# Altium PCB PCB1.PcbDoc (part 1 of 3)
Units mil, origin at the board's own origin, x right, y up, seen from the top; angles counter-clockwise.
Board outline 15710 x 6180 mil, 2 copper layers (Top Layer, Bottom Layer); 319 components, 269 nets, 1689 pads, 570 vias.
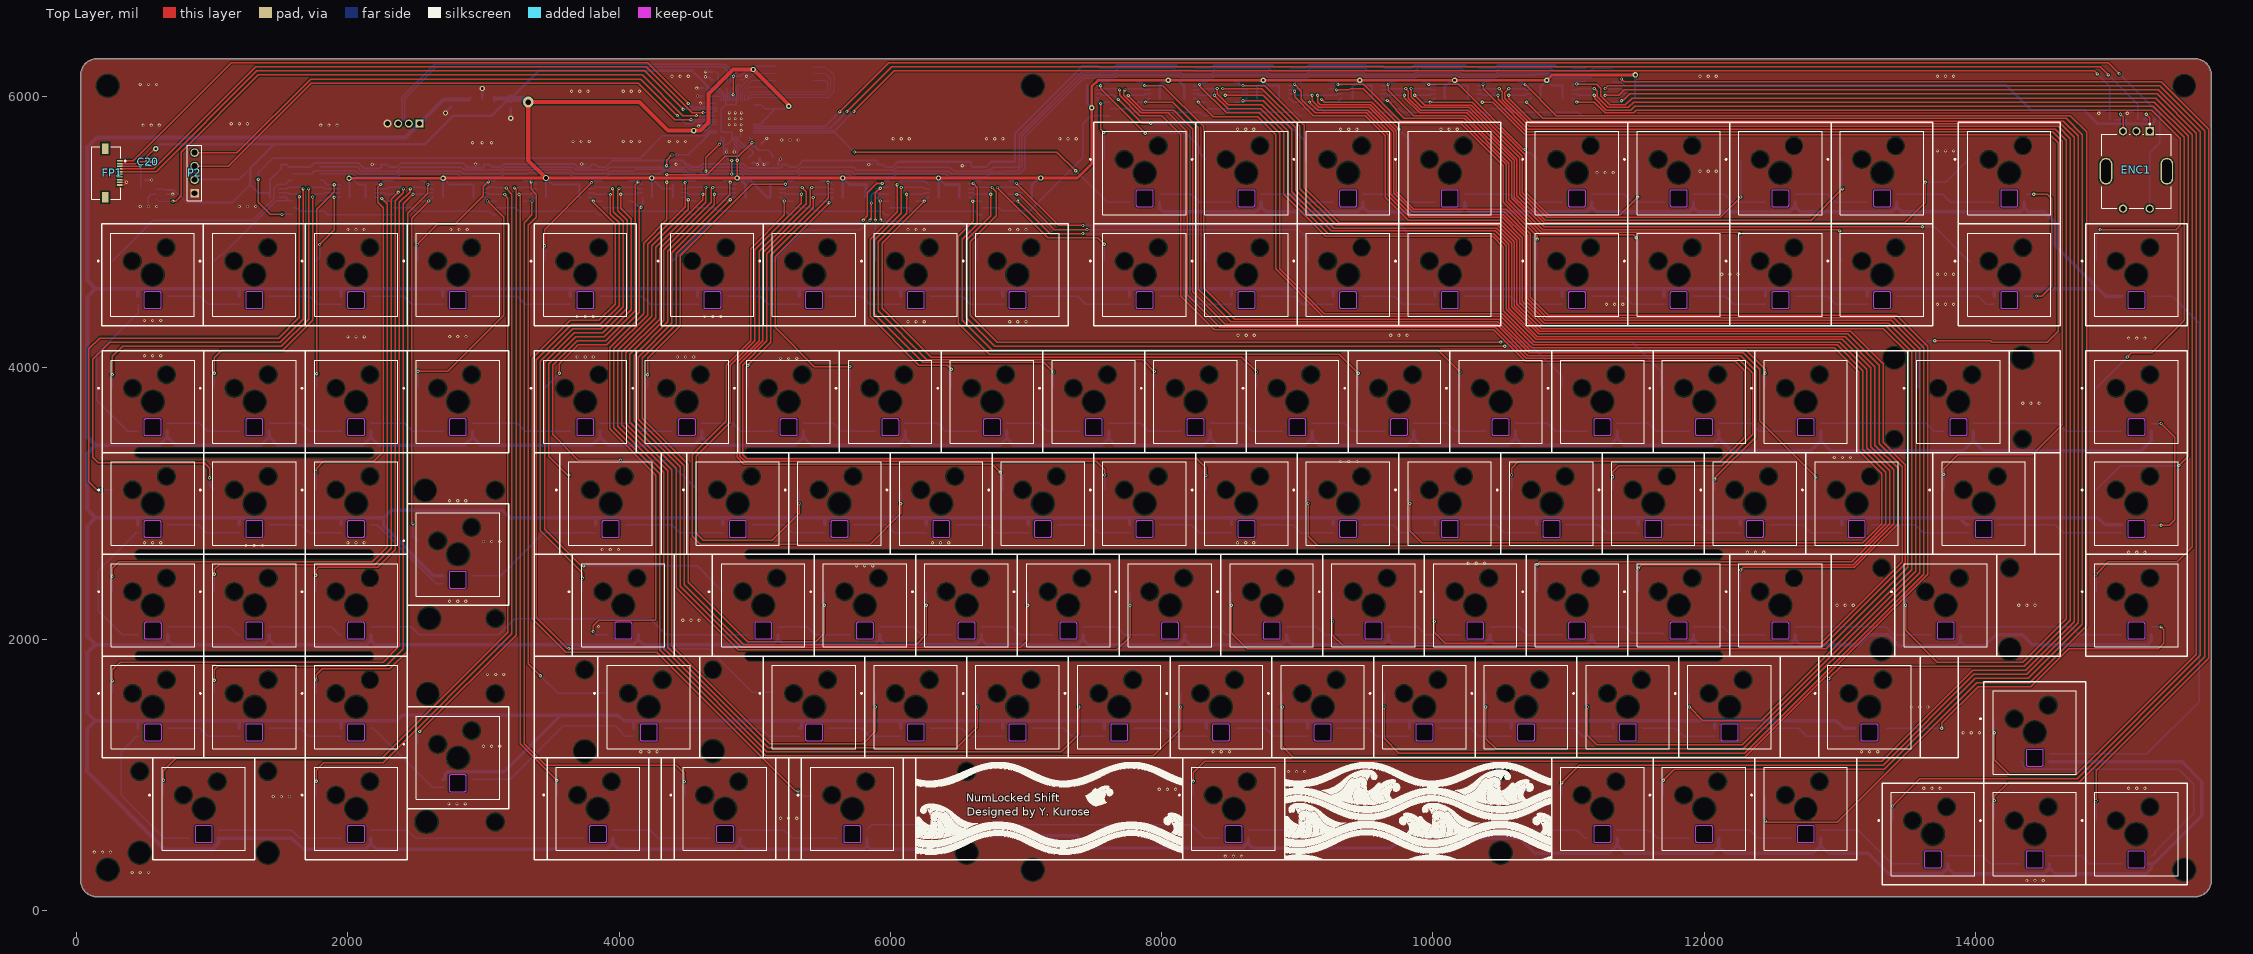
[diagram p0: Top Layer view]
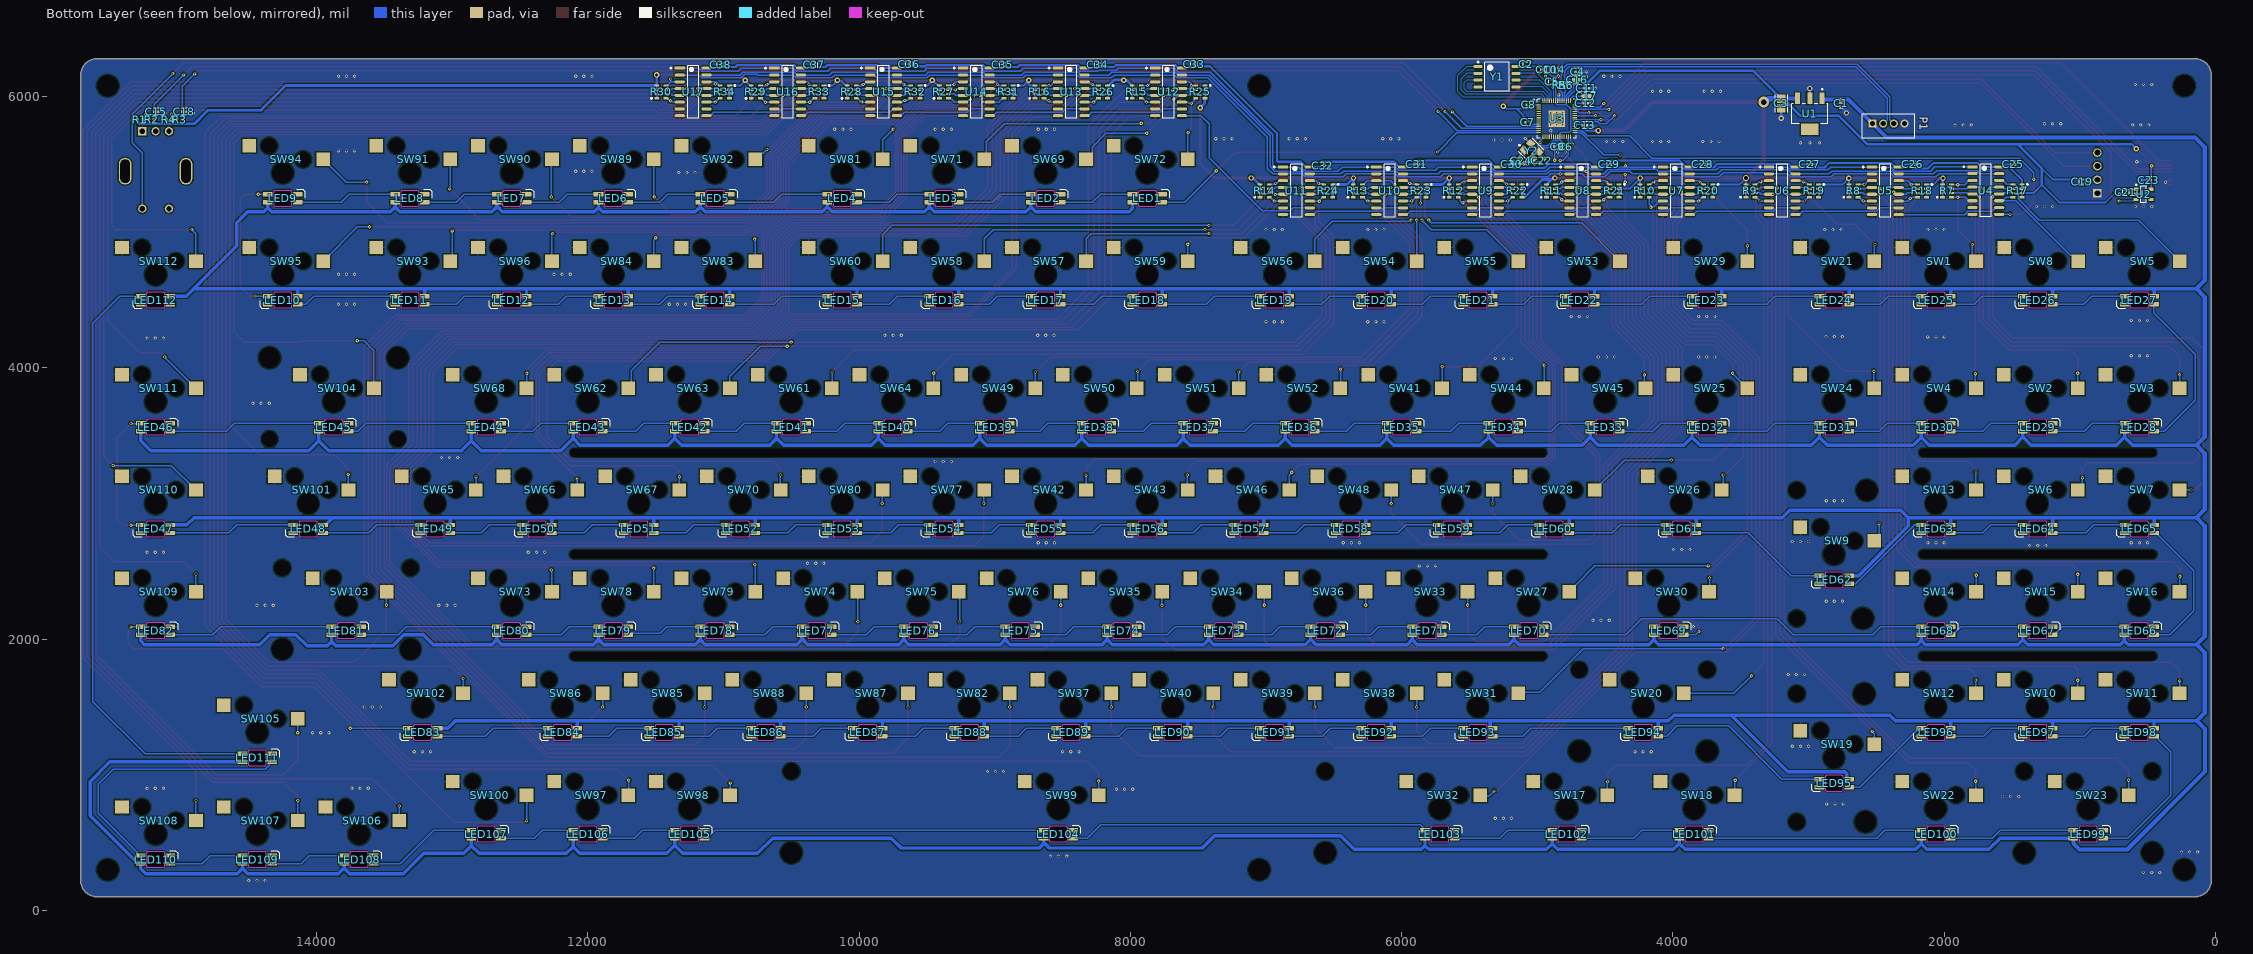
[diagram p1: Bottom Layer view, seen from below]
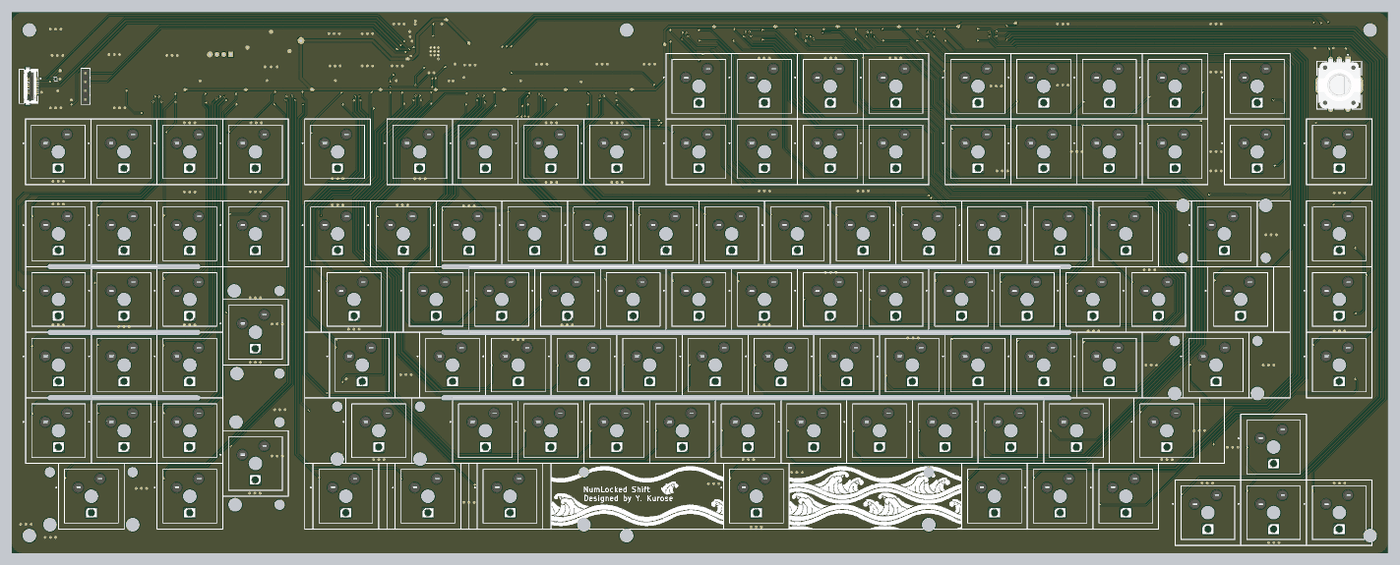
[diagram p4: 3D render of the assembled board from above, using the file's embedded part models]
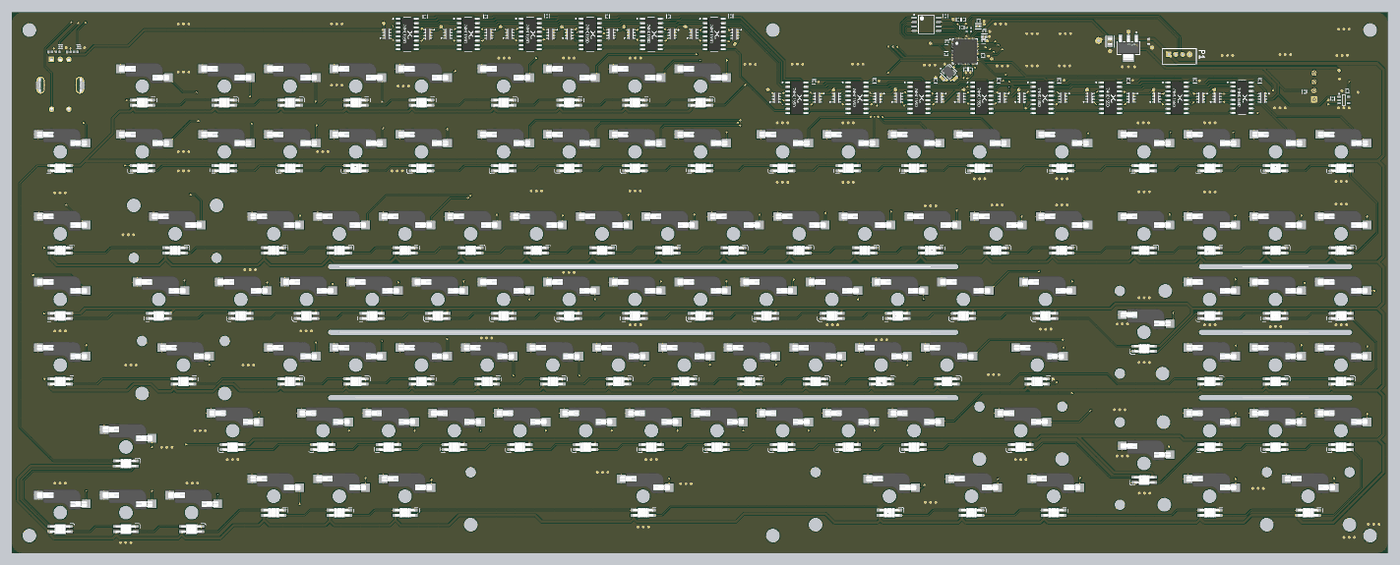
[diagram p5: 3D render of the assembled board from below, using the file's embedded part models]

## Layer stack, top to bottom
Top Solder: solder mask 0.4, Solder Resist, Dk 3.5
Top Layer: signal copper 1.4
Dielectric 1: dielectric 12.6, FR-4, Dk 4.8
Bottom Layer: signal copper 1.4
Bottom Solder: solder mask 0.4, Solder Resist, Dk 3.5

## Board outline
30,220 30,6160 cw(c150,6160) 150,6280 15620,6280 cw(c15620,6160) 15740,6160 15740,3740 15740,300 15740,220 cw(c15620,220) 15620,100 150,100 cw(c150,220)

## Design rules (kind name [scope] priority, off if disabled: settings)
Clearance [All] p1: gap=10 ignorepadtopadclearanceinfootprint=FALSE except(0: SMDPad-Hole THPad-Hole Via-Hole Fill-Hole Poly-Hole Region-Hole Text-Hole; 5: Arc-Arc Arc-Track Arc-SMDPad Arc-Via Arc-Hole Track-Track Track-SMDPad Track-Via Track-Hole SMDPad-SMDPad SMDPad-Via THPad-Via)
DiffPairsRouting [All] p1: maxlimit=10 minlimit=5 mostfreqgap=10 toplayer_minwidth=10 toplayer_maxwidth=15 toplayer_prefwidth=10 bottomlayer_mingap=10 bottomlayer_minwidth=10 bottomlayer_maxwidth=15 bottomlayer_prefwidth=10 maxuncoupledlength=500
HoleSize [All] p1: absolutevalues=TRUE maxlimit=248.03 minlimit=5.91 maxpercent=80.000 minpercent=20.000
HoleToHoleClearance [All] p1: gap=19.68 allowstackedmicrovias=TRUE
MinimumSolderMaskSliver [All] p1: minsoldermaskwidth=3.94
PolygonConnect PolygonConnect_1 [InComponent('U3')] p1: connectstyle=Direct reliefconductorwidth=10 reliefentries=4 polygonreliefangle="90 Angle" airgapwidth=10
PolygonConnect [All] p2: connectstyle=Relief reliefconductorwidth=10 reliefentries=4 polygonreliefangle="90 Angle" airgapwidth=10
RoutingVias [All] p1: holewidth=28 width=50 viastyle="Through Hole" minholewidth=11.81 minwidth=19.68 maxholewidth=248.03 maxwidth=50
SilkToSolderMaskClearance [IsPad] p1: minsilkscreentomaskgap=5 clearancetoexposedcopper=TRUE
SolderMaskExpansion [All] p1: expansion=4 istentingtop=FALSE
Width [All] p1: maxlimit=200 minlimit=5 preferedwidth=10
25 further rules are at their usual default settings.

## Classes and differential pairs
differential pair MCU_USB_D: +MCU_USB_D_P -MCU_USB_D_N
differential pair MCU_USB_D_R: +MCU_USB_D_R_P -MCU_USB_D_R_N

## Components (designator, comment, footprint, x,y, rotation, side; value= is the part's Value field where it differs from the comment)
C1 "Capacitor 470nF +/-20% 25V 0603" CAPC0603(1608)100_L 2760,5950 r270 bottom value=470nF
C2 "0.1 uF" FP-GRM15-MFG 5080,6240 r90 bottom value=0.10μF
C3 "33uF" FP-C2012-125-0_2-IPC_A 3200.67,5950 r270 bottom
C4 "0.1 uF" FP-GRM15-MFG 4700.94,6182.94 r180 bottom value=0.10μF
C5 "0.1 uF" FP-GRM15-MFG 4890,6110 r90 bottom value=0.10μF
C6 "0.1 uF" FP-GRM15-MFG 4791.73,5630.94 r270 bottom value=0.10μF
C7 "0.1 uF" FP-GRM15-MFG 5070,5810 r0 bottom value=0.10μF
C8 "0.1 uF" FP-GRM15-MFG 5062.76,5939.03 r0 bottom value=0.10μF
C9 "0.1 uF" FP-GRM15-MFG 4850.01,5630.94 r270 bottom value=0.10μF
C10 "0.1 uF" FP-GRM15-MFG 4930,6200 r90 bottom value=0.10μF
C11 "0.1 uF" FP-GRM15-MFG 4636.69,6062.94 r180 bottom value=0.10μF
C12 "0.1 uF" FP-GRM15-MFG 4643.36,5952.38 r180 bottom value=0.10μF
C13 "0.1 uF" FP-GRM15-MFG 4650,5790 r180 bottom value=0.10μF
C14 "0.1 uF" FP-GRM15-MFG 4870,6200 r90 bottom value=0.10μF
C15 "10 nF" FP-GRM033-0_03-IPC_A 15183.05,5890.02 r0 bottom
C16 "10uF" FP-GRM155-0_2-IPC_A 4706.69,6122.94 r180 bottom
C17 "10uF" FP-GRM155-0_2-IPC_A 4636.69,6002.94 r180 bottom
C18 "10 nF" FP-GRM033-0_03-IPC_A 14975.75,5889.98 r180 bottom
C19 "0.1 uF" FP-GRM15-MFG 980,5374.25 r270 bottom value=0.10μF
C20 "0.1 uF" FP-GRM15-MFG 530,5520 r0 top value=0.10μF
C21 "0.1 uF" FP-GRM15-MFG 660,5295.75 r270 bottom value=0.10μF
C22 "18pF" CAPC1608X90X35LL10T15 4966.69,5526.69 r135 bottom
C23 "0.1 uF" FP-GRM15-MFG 489.78,5385.23 r0 bottom value=0.10μF
C24 "18pF" CAPC1608X90X35LL10T15 5116.69,5526.69 r45 bottom
C25 "0.1 uF" FP-GRM15-MFG 1490,5500 r180 bottom value=0.10μF
C26 "0.1 uF" FP-GRM15-MFG 2230,5500 r180 bottom value=0.10μF
C27 "0.1 uF" FP-GRM15-MFG 2990,5500 r180 bottom value=0.10μF
C28 "0.1 uF" FP-GRM15-MFG 3780,5500 r180 bottom value=0.10μF
C29 "0.1 uF" FP-GRM15-MFG 4470,5500 r180 bottom value=0.10μF
C30 "0.1 uF" FP-GRM15-MFG 5190,5500 r180 bottom value=0.10μF
C31 "0.1 uF" FP-GRM15-MFG 5890,5500 r180 bottom value=0.10μF
C32 "0.1 uF" FP-GRM15-MFG 6580,5490 r180 bottom value=0.10μF
C33 "0.1 uF" FP-GRM15-MFG 7530,6240 r90 bottom value=0.10μF
C34 "0.1 uF" FP-GRM15-MFG 8240,6235.75 r90 bottom value=0.10μF
C35 "0.1 uF" FP-GRM15-MFG 8940,6235.75 r90 bottom value=0.10μF
C36 "0.1 uF" FP-GRM15-MFG 9630,6240 r90 bottom value=0.10μF
C37 "0.1 uF" FP-GRM15-MFG 10330,6234.25 r90 bottom value=0.10μF
C38 "0.1 uF" FP-GRM15-MFG 11020,6234.25 r90 bottom value=0.10μF
ENC1 "PEC11R-4015F-S0024" FP-PEC11R-4015F-S0024-MFG 15187.5,5450 r180 top
FP1 "505110-1092" FP-505110-1092-MFG 220,5437.5 r270 top
LED1 "SK6812MINI-E" 1655-Footprint-1 7875,5250 r0 bottom
LED2 "SK6812MINI-E" 1655-Footprint-1 8625,5250 r0 bottom
LED3 "SK6812MINI-E" 1655-Footprint-1 9375,5250 r0 bottom
LED4 "SK6812MINI-E" 1655-Footprint-1 10125,5250 r0 bottom
LED5 "SK6812MINI-E" 1655-Footprint-1 11062.5,5250 r0 bottom
LED6 "SK6812MINI-E" 1655-Footprint-1 11812.5,5250 r0 bottom
LED7 "SK6812MINI-E" 1655-Footprint-1 12562.5,5250 r0 bottom
LED8 "SK6812MINI-E" 1655-Footprint-1 13312.5,5250 r0 bottom
LED9 "SK6812MINI-E" 1655-Footprint-1 14250,5250 r0 bottom
LED10 "SK6812MINI-E" 1655-Footprint-1 14250,4500 r180 bottom
LED11 "SK6812MINI-E" 1655-Footprint-1 13312.5,4500 r180 bottom
LED12 "SK6812MINI-E" 1655-Footprint-1 12562.5,4500 r180 bottom
LED13 "SK6812MINI-E" 1655-Footprint-1 11812.5,4500 r180 bottom
LED14 "SK6812MINI-E" 1655-Footprint-1 11062.5,4500 r180 bottom
LED15 "SK6812MINI-E" 1655-Footprint-1 10125,4500 r180 bottom
LED16 "SK6812MINI-E" 1655-Footprint-1 9375,4500 r180 bottom
LED17 "SK6812MINI-E" 1655-Footprint-1 8625,4500 r180 bottom
LED18 "SK6812MINI-E" 1655-Footprint-1 7875,4500 r180 bottom
LED19 "SK6812MINI-E" 1655-Footprint-1 6937.5,4500 r180 bottom
LED20 "SK6812MINI-E" 1655-Footprint-1 6187.5,4500 r180 bottom
LED21 "SK6812MINI-E" 1655-Footprint-1 5437.5,4500 r180 bottom
LED22 "SK6812MINI-E" 1655-Footprint-1 4687.5,4500 r180 bottom
LED23 "SK6812MINI-E" 1655-Footprint-1 3750,4500 r180 bottom
LED24 "SK6812MINI-E" 1655-Footprint-1 2810,4500 r180 bottom
LED25 "SK6812MINI-E" 1655-Footprint-1 2060,4500 r180 bottom
LED26 "SK6812MINI-E" 1655-Footprint-1 1310,4500 r180 bottom
LED27 "SK6812MINI-E" 1655-Footprint-1 560,4500 r180 bottom
LED28 "SK6812MINI-E" 1655-Footprint-1 560,3562.5 r0 bottom
LED29 "SK6812MINI-E" 1655-Footprint-1 1310,3562.5 r0 bottom
LED30 "SK6812MINI-E" 1655-Footprint-1 2060,3562.5 r0 bottom
LED31 "SK6812MINI-E" 1655-Footprint-1 2810,3562.5 r0 bottom
LED32 "SK6812MINI-E" 1655-Footprint-1 3750,3562.5 r0 bottom
LED33 "SK6812MINI-E" 1655-Footprint-1 4500,3562.5 r0 bottom
LED34 "SK6812MINI-E" 1655-Footprint-1 5250,3562.5 r0 bottom
LED35 "SK6812MINI-E" 1655-Footprint-1 6000,3562.5 r0 bottom
LED36 "SK6812MINI-E" 1655-Footprint-1 6750,3562.5 r0 bottom
LED37 "SK6812MINI-E" 1655-Footprint-1 7500,3562.5 r0 bottom
LED38 "SK6812MINI-E" 1655-Footprint-1 8250,3562.5 r0 bottom
LED39 "SK6812MINI-E" 1655-Footprint-1 9000,3562.5 r0 bottom
LED40 "SK6812MINI-E" 1655-Footprint-1 9750,3562.5 r0 bottom
LED41 "SK6812MINI-E" 1655-Footprint-1 10500,3562.5 r0 bottom
LED42 "SK6812MINI-E" 1655-Footprint-1 11250,3562.5 r0 bottom
LED43 "SK6812MINI-E" 1655-Footprint-1 12000,3562.5 r0 bottom
LED44 "SK6812MINI-E" 1655-Footprint-1 12750,3562.5 r0 bottom
LED45 "SK6812MINI-E" 1655-Footprint-1 13875,3562.5 r0 bottom
LED46 "SK6812MINI-E" 1655-Footprint-1 15187.5,3562.5 r0 bottom
LED47 "SK6812MINI-E" 1655-Footprint-1 15187.5,2812.5 r180 bottom
LED48 "SK6812MINI-E" 1655-Footprint-1 14062.5,2812.5 r180 bottom
LED49 "SK6812MINI-E" 1655-Footprint-1 13125,2812.5 r180 bottom
LED50 "SK6812MINI-E" 1655-Footprint-1 12375,2812.5 r180 bottom
LED51 "SK6812MINI-E" 1655-Footprint-1 11625,2812.5 r180 bottom
LED52 "SK6812MINI-E" 1655-Footprint-1 10875,2812.5 r180 bottom
LED53 "SK6812MINI-E" 1655-Footprint-1 10125,2812.5 r180 bottom
LED54 "SK6812MINI-E" 1655-Footprint-1 9375,2812.5 r180 bottom
LED55 "SK6812MINI-E" 1655-Footprint-1 8625,2812.5 r180 bottom
LED56 "SK6812MINI-E" 1655-Footprint-1 7875,2812.5 r180 bottom
LED57 "SK6812MINI-E" 1655-Footprint-1 7125,2812.5 r180 bottom
LED58 "SK6812MINI-E" 1655-Footprint-1 6375,2812.5 r180 bottom
LED59 "SK6812MINI-E" 1655-Footprint-1 5625,2812.5 r180 bottom
LED60 "SK6812MINI-E" 1655-Footprint-1 4875,2812.5 r180 bottom
LED61 "SK6812MINI-E" 1655-Footprint-1 3937.5,2812.5 r180 bottom
LED62 "SK6812MINI-E" 1655-Footprint-1 2810,2437.5 r180 bottom
LED63 "SK6812MINI-E" 1655-Footprint-1 2060,2812.5 r180 bottom
LED64 "SK6812MINI-E" 1655-Footprint-1 1310,2812.5 r180 bottom
LED65 "SK6812MINI-E" 1655-Footprint-1 560,2812.5 r180 bottom
LED66 "SK6812MINI-E" 1655-Footprint-1 562.5,2062.5 r0 bottom
LED67 "SK6812MINI-E" 1655-Footprint-1 1310,2062.7 r0 bottom
LED68 "SK6812MINI-E" 1655-Footprint-1 2060,2062.5 r0 bottom
LED69 "SK6812MINI-E" 1655-Footprint-1 4031.25,2062.5 r0 bottom
LED70 "SK6812MINI-E" 1655-Footprint-1 5062.5,2062.5 r0 bottom
LED71 "SK6812MINI-E" 1655-Footprint-1 5812.5,2062.5 r0 bottom
LED72 "SK6812MINI-E" 1655-Footprint-1 6562.5,2062.5 r0 bottom
LED73 "SK6812MINI-E" 1655-Footprint-1 7312.5,2062.5 r0 bottom
LED74 "SK6812MINI-E" 1655-Footprint-1 8062.5,2062.5 r0 bottom
LED75 "SK6812MINI-E" 1655-Footprint-1 8812.5,2062.5 r0 bottom
LED76 "SK6812MINI-E" 1655-Footprint-1 9562.5,2062.5 r0 bottom
LED77 "SK6812MINI-E" 1655-Footprint-1 10312.5,2062.5 r0 bottom
LED78 "SK6812MINI-E" 1655-Footprint-1 11062.5,2062.5 r0 bottom
LED79 "SK6812MINI-E" 1655-Footprint-1 11812.5,2062.5 r0 bottom
LED80 "SK6812MINI-E" 1655-Footprint-1 12562.5,2062.5 r0 bottom
LED81 "SK6812MINI-E" 1655-Footprint-1 13781.25,2062.5 r0 bottom
LED82 "SK6812MINI-E" 1655-Footprint-1 15187.5,2062.5 r0 bottom
LED83 "SK6812MINI-E" 1655-Footprint-1 13218.75,1312.5 r180 bottom
LED84 "SK6812MINI-E" 1655-Footprint-1 12187.5,1312.5 r180 bottom
LED85 "SK6812MINI-E" 1655-Footprint-1 11437.5,1312.5 r180 bottom
LED86 "SK6812MINI-E" 1655-Footprint-1 10687.5,1312.5 r180 bottom
LED87 "SK6812MINI-E" 1655-Footprint-1 9937.5,1312.5 r180 bottom
LED88 "SK6812MINI-E" 1655-Footprint-1 9187.5,1312.5 r180 bottom
LED89 "SK6812MINI-E" 1655-Footprint-1 8437.5,1312.5 r180 bottom
LED90 "SK6812MINI-E" 1655-Footprint-1 7687.5,1312.5 r180 bottom
LED91 "SK6812MINI-E" 1655-Footprint-1 6937.5,1312.5 r180 bottom
LED92 "SK6812MINI-E" 1655-Footprint-1 6187.5,1312.5 r180 bottom
LED93 "SK6812MINI-E" 1655-Footprint-1 5437.5,1312.5 r180 bottom
LED94 "SK6812MINI-E" 1655-Footprint-1 4218.75,1312.5 r180 bottom
LED95 "SK6812MINI-E" 1655-Footprint-1 2810,937.5 r180 bottom
LED96 "SK6812MINI-E" 1655-Footprint-1 2060,1312.5 r180 bottom
LED97 "SK6812MINI-E" 1655-Footprint-1 1310,1312.5 r180 bottom
LED98 "SK6812MINI-E" 1655-Footprint-1 562.5,1312.5 r180 bottom
LED99 "SK6812MINI-E" 1655-Footprint-1 937.5,562.5 r0 bottom
LED100 "SK6812MINI-E" 1655-Footprint-1 2060,562.5 r0 bottom
LED101 "SK6812MINI-E" 1655-Footprint-1 3843.75,562.5 r0 bottom
LED102 "SK6812MINI-E" 1655-Footprint-1 4781.25,562.5 r0 bottom
LED103 "SK6812MINI-E" 1655-Footprint-1 5718.75,562.5 r0 bottom
LED104 "SK6812MINI-E" 1655-Footprint-1 8531.25,562.5 r0 bottom
LED105 "SK6812MINI-E" 1655-Footprint-1 11250,562.5 r0 bottom
LED106 "SK6812MINI-E" 1655-Footprint-1 12000,562.5 r0 bottom
LED107 "SK6812MINI-E" 1655-Footprint-1 12750,562.5 r0 bottom
LED108 "SK6812MINI-E" 1655-Footprint-1 13687.5,375 r0 bottom
LED109 "SK6812MINI-E" 1655-Footprint-1 14437.5,375 r0 bottom
LED110 "SK6812MINI-E" 1655-Footprint-1 15187.5,375 r0 bottom
LED111 "SK6812MINI-E" 1655-Footprint-1 14437.5,1125 r0 bottom
LED112 "SK6812MINI-E" 1655-Footprint-1 15187.5,4500 r180 bottom
P1 "B4B-PH-K-S(LF)(SN)" JST-B4B-PH-K-S_V 2410,5780 r180 bottom
P2 "61300411121" 61300411121 870,5437.5 r90 top
R1 "10k" RESC1005X40X25ML05T05 15302.84,5830.78 r0 bottom
R2 "10k" RESC1005X40X25ML05T05 15216.43,5830.78 r0 bottom
R3 "10k" RESC1005X40X25ML05T05 15010,5830 r0 bottom
R4 "10k" RESC1005X40X25ML05T05 15090,5830 r180 bottom
R5 "RC0402FR-0727RL" RESC1005X40X25NL05T10 4835.86,6084.63 r270 bottom value=27
R6 "RC0402FR-0727RL" RESC1005X40X25NL05T10 4785.15,6084.43 r270 bottom value=27
R7 "CAY16-103J4LF" BOUR-CAY16-J4_V 1978.27,5305.41 r180 bottom
R8 "CAY16-103J4LF" BOUR-CAY16-J4_V 2667.72,5305.41 r180 bottom
R9 "CAY16-103J4LF" BOUR-CAY16-J4_V 3428.01,5305.41 r180 bottom
R10 "CAY16-103J4LF" BOUR-CAY16-J4_V 4208.3,5305.41 r180 bottom
R11 "CAY16-103J4LF" BOUR-CAY16-J4_V 4898.59,5305.41 r180 bottom
R12 "CAY16-103J4LF" BOUR-CAY16-J4_V 5615.73,5305.41 r180 bottom
R13 "CAY16-103J4LF" BOUR-CAY16-J4_V 6322.88,5305.41 r180 bottom
R14 "CAY16-103J4LF" BOUR-CAY16-J4_V 7010.02,5305.41 r180 bottom
R15 "CAY16-103J4LF" BOUR-CAY16-J4_V 7952.88,6034.55 r180 bottom
R16 "CAY16-103J4LF" BOUR-CAY16-J4_V 8670.02,6034.55 r180 bottom
R17 "CAY16-103J4LF" BOUR-CAY16-J4_V 1458.86,5305.41 r0 bottom
R18 "CAY16-103J4LF" BOUR-CAY16-J4_V 2163.2,5305.41 r0 bottom
R19 "CAY16-103J4LF" BOUR-CAY16-J4_V 2959.44,5305.41 r0 bottom
R20 "CAY16-103J4LF" BOUR-CAY16-J4_V 3739.73,5305.41 r0 bottom
R21 "CAY16-103J4LF" BOUR-CAY16-J4_V 4430.02,5305.41 r0 bottom
R22 "CAY16-103J4LF" BOUR-CAY16-J4_V 5147.16,5305.41 r0 bottom
R23 "CAY16-103J4LF" BOUR-CAY16-J4_V 5854.31,5305.41 r0 bottom
R24 "CAY16-103J4LF" BOUR-CAY16-J4_V 6541.45,5305.41 r0 bottom
R25 "CAY16-103J4LF" BOUR-CAY16-J4_V 7484.31,6034.55 r0 bottom
R26 "CAY16-103J4LF" BOUR-CAY16-J4_V 8201.45,6034.55 r0 bottom
R27 "CAY16-103J4LF" BOUR-CAY16-J4_V 9374.95,6034.55 r180 bottom
R28 "CAY16-103J4LF" BOUR-CAY16-J4_V 10054.32,6034.55 r180 bottom
R29 "CAY16-103J4LF" BOUR-CAY16-J4_V 10761.46,6034.55 r180 bottom
R30 "CAY16-103J4LF" BOUR-CAY16-J4_V 11458.6,6034.55 r180 bottom
R31 "CAY16-103J4LF" BOUR-CAY16-J4_V 8898.6,6034.55 r0 bottom
R32 "CAY16-103J4LF" BOUR-CAY16-J4_V 9585.75,6034.55 r0 bottom
R33 "CAY16-103J4LF" BOUR-CAY16-J4_V 10292.89,6034.55 r0 bottom
R34 "CAY16-103J4LF" BOUR-CAY16-J4_V 10990.03,6034.55 r0 bottom
SW1 "MX1A-11NW_HS" MX1A-11NW-Footprint-1 2062.5,4687.5 r0 top
SW2 "MX1A-11NW_HS" MX1A-11NW-Footprint-1 1312.5,3750 r0 top
SW3 "MX1A-11NW_HS" MX1A-11NW-Footprint-1 562.5,3750 r0 top
SW4 "MX1A-11NW_HS" MX1A-11NW-Footprint-1 2062.5,3750 r0 top
SW5 "MX1A-11NW_HS" MX1A-11NW-Footprint-1 560,4687.5 r0 top
SW6 "MX1A-11NW_HS" MX1A-11NW-Footprint-1 1312.5,3000 r0 top
SW7 "MX1A-11NW_HS" MX1A-11NW-Footprint-1 562.5,3000 r0 top
SW8 "MX1A-11NW_HS" MX1A-11NW-Footprint-1 1310,4687.5 r0 top
SW9 "MX1A-11NW_HS" MX1A-11NW-Footprint-1 2812.5,2625 r0 top
SW10 "MX1A-11NW_HS" MX1A-11NW-Footprint-1 1312.5,1500 r0 top
SW11 "MX1A-11NW_HS" MX1A-11NW-Footprint-1 562.5,1500 r0 top
SW12 "MX1A-11NW_HS" MX1A-11NW-Footprint-1 2062.5,1500 r0 top
SW13 "MX1A-11NW_HS" MX1A-11NW-Footprint-1 2062.5,3000 r0 top
SW14 "MX1A-11NW_HS" MX1A-11NW-Footprint-1 2062.5,2250 r0 top
SW15 "MX1A-11NW_HS" MX1A-11NW-Footprint-1 1312.5,2250 r0 top
SW16 "MX1A-11NW_HS" MX1A-11NW-Footprint-1 562.5,2250 r0 top
SW17 "MX1A-11NW_HS" MX1A-11NW-Footprint-1 4781.25,750 r0 top
SW18 "MX1A-11NW_HS" MX1A-11NW-Footprint-1 3843.75,750 r0 top
SW19 "MX1A-11NW_HS" MX1A-11NW-Footprint-1 2812.5,1125 r0 top
SW20 "MX1A-11NW_HS" MX1A-11NW-Footprint-1 4218.75,1500 r0 top
SW21 "MX1A-11NW_HS" MX1A-11NW-Footprint-1 2812.5,4687.5 r0 top
SW22 "MX1A-11NW_HS" MX1A-11NW-Footprint-1 2062.5,750 r0 top
SW23 "MX1A-11NW_HS" MX1A-11NW-Footprint-1 937.5,750 r0 top
SW24 "MX1A-11NW_HS" MX1A-11NW-Footprint-1 2812.5,3750 r0 top
SW25 "MX1A-11NW_HS" MX1A-11NW-Footprint-1 3750,3750 r0 top
SW26 "MX1A-11NW_HS" MX1A-11NW-Footprint-1 3937.5,3000 r0 top
SW27 "MX1A-11NW_HS" MX1A-11NW-Footprint-1 5062.5,2250 r0 top
SW28 "MX1A-11NW_HS" MX1A-11NW-Footprint-1 4875,3000 r0 top
SW29 "MX1A-11NW_HS" MX1A-11NW-Footprint-1 3750,4687.5 r0 top
SW30 "MX1A-11NW_HS" MX1A-11NW-Footprint-1 4031.25,2250 r0 top
SW31 "MX1A-11NW_HS" MX1A-11NW-Footprint-1 5437.5,1500 r0 top
SW32 "MX1A-11NW_HS" MX1A-11NW-Footprint-1 5718.75,750 r0 top
SW33 "MX1A-11NW_HS" MX1A-11NW-Footprint-1 5812.5,2250 r0 top
SW34 "MX1A-11NW_HS" MX1A-11NW-Footprint-1 7312.5,2250 r0 top
SW35 "MX1A-11NW_HS" MX1A-11NW-Footprint-1 8062.5,2250 r0 top
SW36 "MX1A-11NW_HS" MX1A-11NW-Footprint-1 6562.5,2250 r0 top
SW37 "MX1A-11NW_HS" MX1A-11NW-Footprint-1 8437.5,1500 r0 top
SW38 "MX1A-11NW_HS" MX1A-11NW-Footprint-1 6187.5,1500 r0 top
SW39 "MX1A-11NW_HS" MX1A-11NW-Footprint-1 6937.5,1500 r0 top
SW40 "MX1A-11NW_HS" MX1A-11NW-Footprint-1 7687.5,1500 r0 top
SW41 "MX1A-11NW_HS" MX1A-11NW-Footprint-1 6000,3750 r0 top
SW42 "MX1A-11NW_HS" MX1A-11NW-Footprint-1 8625,3000 r0 top
SW43 "MX1A-11NW_HS" MX1A-11NW-Footprint-1 7875,3000 r0 top
SW44 "MX1A-11NW_HS" MX1A-11NW-Footprint-1 5250,3750 r0 top
SW45 "MX1A-11NW_HS" MX1A-11NW-Footprint-1 4500,3750 r0 top
SW46 "MX1A-11NW_HS" MX1A-11NW-Footprint-1 7125,3000 r0 top
SW47 "MX1A-11NW_HS" MX1A-11NW-Footprint-1 5625,3000 r0 top
SW48 "MX1A-11NW_HS" MX1A-11NW-Footprint-1 6375,3000 r0 top
SW49 "MX1A-11NW_HS" MX1A-11NW-Footprint-1 9000,3750 r0 top
SW50 "MX1A-11NW_HS" MX1A-11NW-Footprint-1 8250,3750 r0 top
SW51 "MX1A-11NW_HS" MX1A-11NW-Footprint-1 7500,3750 r0 top
SW52 "MX1A-11NW_HS" MX1A-11NW-Footprint-1 6750,3750 r0 top
SW53 "MX1A-11NW_HS" MX1A-11NW-Footprint-1 4687.5,4687.5 r0 top
SW54 "MX1A-11NW_HS" MX1A-11NW-Footprint-1 6187.5,4687.5 r0 top
SW55 "MX1A-11NW_HS" MX1A-11NW-Footprint-1 5437.5,4687.5 r0 top
SW56 "MX1A-11NW_HS" MX1A-11NW-Footprint-1 6937.5,4687.5 r0 top
SW57 "MX1A-11NW_HS" MX1A-11NW-Footprint-1 8625,4687.5 r0 top
SW58 "MX1A-11NW_HS" MX1A-11NW-Footprint-1 9375,4687.5 r0 top
SW59 "MX1A-11NW_HS" MX1A-11NW-Footprint-1 7875,4687.5 r0 top
SW60 "MX1A-11NW_HS" MX1A-11NW-Footprint-1 10125,4687.5 r0 top